# KiCad board 6502PC-6U.kicad_pcb (continued)
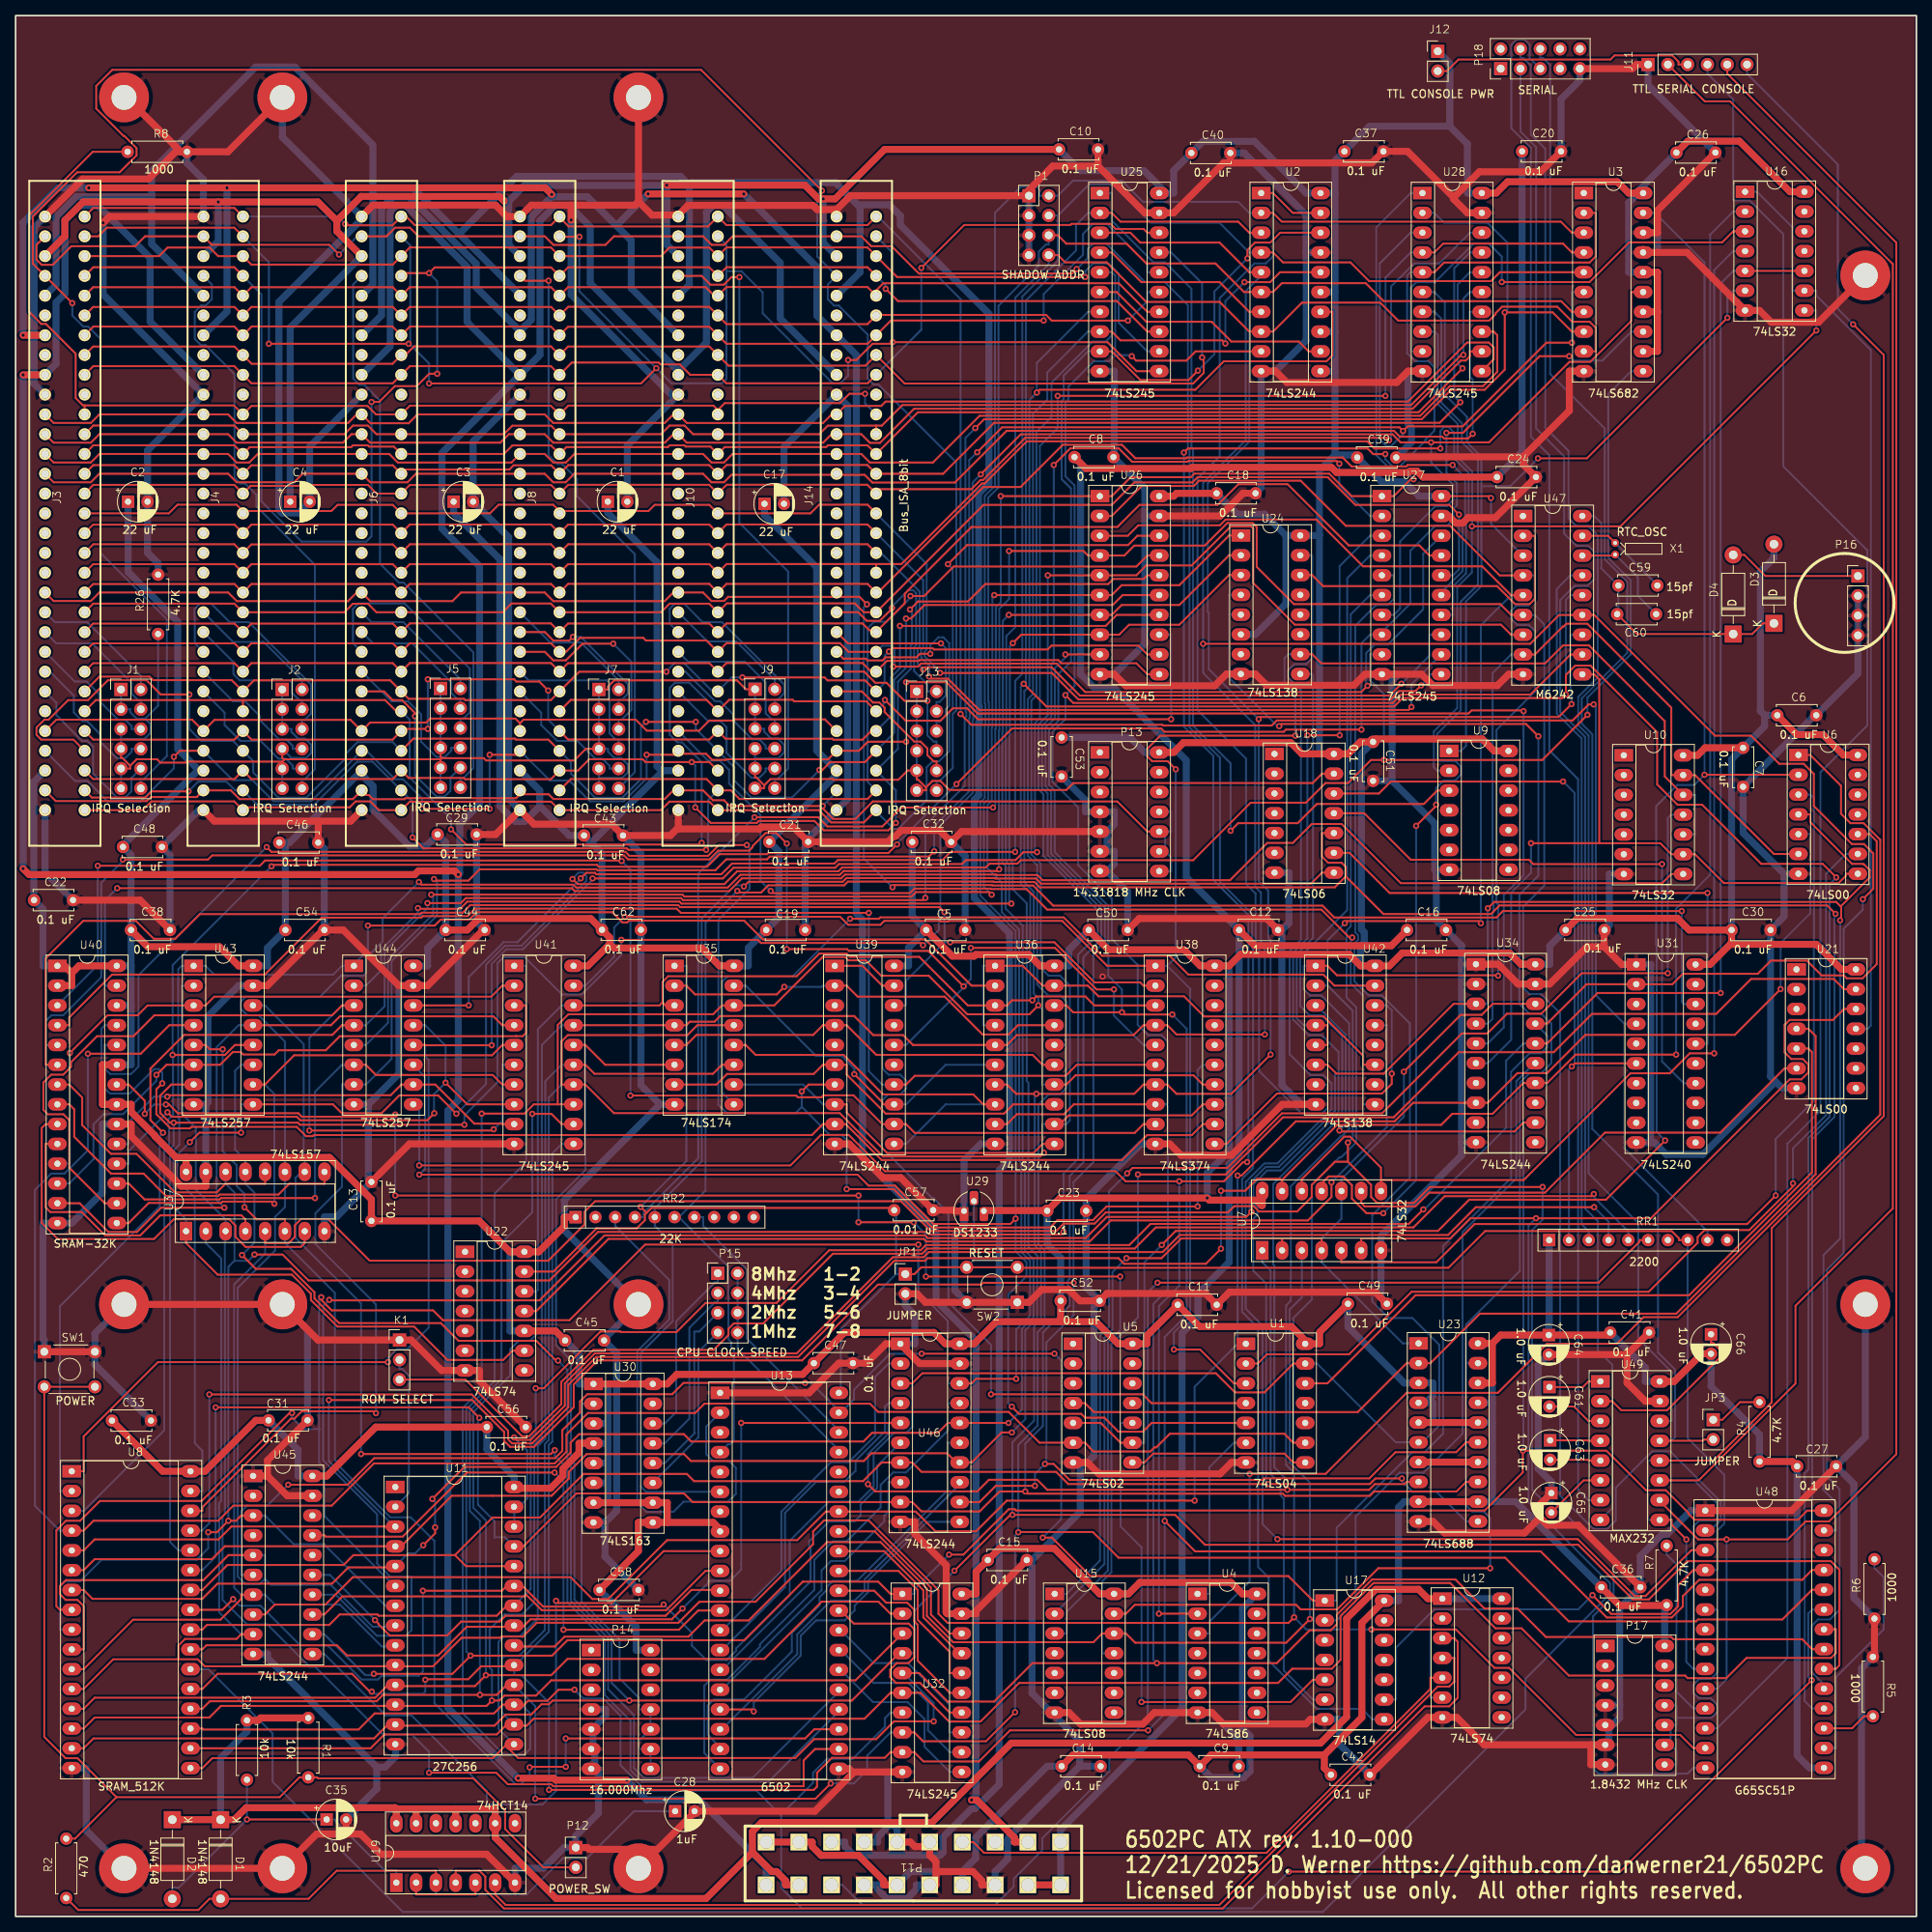
[diagram p0: board, top side]
## Nets (continued)
Net-(J7-Pin_10): J7.10 J8.25
Net-(J10-IRQ3): J9.10 J10.25
Net-(J10-IRQ4): J9.8 J10.24
Net-(J10-IRQ5): J9.6 J10.23
Net-(J10-IRQ6): J9.4 J10.22
Net-(J10-IRQ7): J9.2 J10.21
Net-(J11-Pin_3): J11.3 J12.2
Net-(J13-Pin_2): J13.2 J14.21
Net-(J13-Pin_4): J13.4 J14.22
Net-(J13-Pin_6): J13.6 J14.23
Net-(J13-Pin_8): J13.8 J14.24
Net-(J13-Pin_10): J13.10 J14.25
Net-(JP3-A): JP3.1 R4.2
Net-(K1-Pin_2): K1.2 U11.2
Net-(P12-Pin_2): P12.2 R1.2 R2.2 SW1.2
Net-(P15-Pin_1): P15.1 U30.14
Net-(P15-Pin_3): P15.3 U30.13
Net-(P15-Pin_5): P15.5 U30.12
Net-(P15-Pin_7): P15.7 U30.11
Net-(U1-Pad6): U1.6 U4.1
Net-(U1-Pad8): U1.8 U5.8
Net-(U1-Pad12): U1.12 U21.5
Net-(U4-Pad3): U4.3 U6.1
Net-(U6-Pad3): U6.3 U7.5
Net-(U12A-C): U12.3 U19.4
Net-(U12A-D): U12.2 U12.6
Net-(U12A-~{S}): U12.4 U19.6
Net-(U15-Pad11): U15.11 U21.13
Net-(U17-Pad6): U7.1 U17.6
Net-(U19-Pad2): U19.2 U19.5
Net-(U21-Pad6): U7.9 U21.6
Net-(U25-A->B): U9.3 U25.1
Net-(U30-CP): P14.8 P14.9 P14.10 P14.11 U30.2
Net-(U31-O1a): U18.9 U31.16
Net-(U31-O2a): U18.11 U31.14
Net-(U34-I2b): U17.2 U34.15
Net-(U35-Q0): U35.2 U36.17 U39.2
Net-(U35-Q1): U35.5 U36.15 U39.4
Net-(U35-Q2): U35.7 U36.13 U39.6
Net-(U35-Q3): U35.10 U36.11 U39.8
Net-(U35-Q4): U35.12 U36.8 U39.11
Net-(U35-Q5): U35.15 U36.6 U39.13
Net-(U37-Za): U37.4 U40.10
Net-(U37-Zb): U37.7 U40.9
Net-(U37-Zc): U37.9 U40.8
Net-(U37-Zd): U37.12 U40.7
Net-(U38-O0): U38.2 U39.18 U40.6
Net-(U38-O1): U38.5 U39.16 U40.5
Net-(U38-O2): U38.6 U39.14 U40.4
Net-(U38-O3): U38.9 U39.12 U40.3
Net-(U38-O4): U38.12 U39.9 U40.25
Net-(U38-O5): U38.15 U39.7 U40.24
Net-(U39-OEa): U1.4 U39.1 U39.19
Net-(U40-Q0): U40.11 U41.2 U43.3
Net-(U40-Q1): U40.12 U41.3 U43.6
Net-(U40-Q2): U40.13 U41.4 U43.13
Net-(U40-Q3): U40.15 U41.5 U43.10
Net-(U40-Q4): U40.16 U41.6 U44.3
Net-(U40-Q5): U40.17 U41.7 U44.6
Net-(U40-Q6): U40.18 U41.8 U44.13
Net-(U40-Q7): U40.19 U41.9 U44.10
Net-(U47-XT1): C59.2 U47.17 X1.2
Net-(U47-XT): C60.2 U47.16 X1.1
Net-(U49-C1+): C61.1 U49.1
Net-(U49-C1-): C61.2 U49.3
Net-(U49-C2+): C63.1 U49.4
Net-(U49-C2-): C63.2 U49.5
Net-(U49-VS+): C66.1 U49.2
Net-(U49-VS-): C65.2 U49.6

Pads without a net: J3 6 8 15 16 17 18 19 26 41; J4 6 8 15 16 17 18 19 26 41; J6 6 8 15 16 17 18 19 26 41; J8 6 8 15 16 17 18 19 26 41; J10 6 8 15 16 17 18 19 26 41; J14 6 8 15 16 17 18 19 26 41; P13 1 2 3 12 13; P14 1 2 3 12 13; P17 1 2 3 12 13; P18 1 2 7 8 10; RR1 7 10; RR2 2 8 9 10; U1 10 11; U3 1; U4 4 5 6 8 9 10 11 12 13; U5 1 2 3 11 12 13; U6 11 12 13; U9 4 5 6 8 9 10 11 12 13; U10 1 2 3 4 5 6; U11 1; U12 8 9 10 11 12 13; U13 3 5 7 35 36; U15 4 5 6 8 9 10; U16 11 12 13; U17 3 4 10 11 12 13; U18 1 2 3 4 5 6; U19 8 10 12; U21 1 2 3 8 9 10; U22 1 2 3 4 5 6 8; U30 15; U31 3 5 7 8 9 11 12 13 15 17 19; U34 7 9 11 13; U38 16 17 18 19; U39 3 5 15 17; U42 10 12; U45 2 4 16 18; U47 1; U48 5 7

## Via types
v1: diameter 0.8, hole 0.4, Top to Bottom, 393 vias

## Routing (per net, layer and track width the routed paths; a pad name or vN(x,y) marks a point on that pad's centre or on a via; arc(x,y) is an arc through that point)
5VSB: length 239.9
  Top w0.9: 48.87,13.81 51.41,13.81 ; 48.87,13.81 48.72,13.96 29.61,13.96 28.07,12.42 D1.1 D2.1 ; 48.87,13.81 U19.14 ; 51.41,13.81 U19.13 ; 51.41,13.81 56.49,13.81 ; 94.58,8.25 88.64,2.3 69.38,2.3 61.57,10.11 U19.9 61.57,13.81 56.49,13.81 ; 94.58,8.25 97.07,5.76 97.68,5.76 98.83,4.61 98.83,4.04 100.54,4.04 ; 94.58,8.25 94.58,10.89 95.75,12.06 117.62,12.06 127.81,22.25 167.5,22.25 170.86,25.6 170.86,38.24 174.61,41.99 180.09,41.99 181.29,40.79 U12.1 ; 56.49,13.81 U19.11 ; R1.1 31.46,25.48 31.15,25.17 R3.2
  Bottom w0.9: D1.1 26.31,20.34 29.7,23.72 R3.2 ; U12.14 U12.1
+3V3: length 329.2
  Top w0.9: C8.1 137.39,185.86 150.88,185.86 151.02,186 168.91,186 169.57,185.35 178.83,185.35 179.01,185.53 179.88,185.53 180.66,184.76 C24.1 ; 129.94,4.04 134.14,4.04 ; C12.1 159.07,124.61 176.6,124.61 C16.1
  Bottom w0.9: C24.1 193.38,187.99 C20.1 ; C8.1 136.71,186.55 136.71,159.47 138.41,157.77 140.91,157.77 150.27,148.4 150.27,133.41 C12.1 157.06,97.84 155.78,96.56 155.78,83.98 151.78,79.98 151.78,76.94 149.73,74.89 149.73,26.71 134.28,11.26 134.14,11.26 P11.2 134.14,4.04
+5V: length 2210.4
  Top w0.25: v1(189.39,182.07) 189.15,182.31 U27.20
  Top w0.9: U43.16 28.62,122.02 26.16,124.48 16.96,124.48 C38.1 ; C58.1 79.95,46.9 79.95,50.57 83.65,50.57 ; J3.3 6.33,215.67 6.33,217.72 8.69,220.08 v1(26.01,220.08) 38.82,220.08 41.23,217.66 ; P11.20 P11.18 102.25,9.55 102.25,8.98 103.41,7.83 108.2,7.83 111.43,4.61 111.43,4.04 113.14,4.04 ; 208.92,211.05 210.77,211.05 210.77,205.97 ; C44.1 57.98,126.62 59.45,128.09 73.82,128.09 C62.1 76.26,125.65 76.26,124.81 ; 210.77,205.97 208.92,205.97 ; 210.77,205.97 210.77,200.89 208.92,200.89 ; 74.18,68.35 83.65,68.35 84.87,69.58 101.03,69.58 C47.1 106.41,74.96 117.89,74.96 119.34,73.51 U46.20 123.04,73.51 125.88,76.34 134.15,76.34 ; 83.65,50.57 89.54,50.57 90.69,49.43 ; 83.65,50.57 83.65,53.11 U30.10 U30.7 ; U45.20 39.96,56.54 46.23,62.81 C56.1 ; U26.20 148.65,182.31 149.02,182.68 C18.1 ; 21.88,97.43 20.61,97.43 17.87,100.16 17.87,100.25 14.84,103.28 14.84,104.24 U40.21 11.14,104.24 11.14,109.32 U40.23 ; 21.88,97.43 U37.16 ; 21.88,97.43 40.3,97.43 45.68,92.05 C13.1 59.5,89.28 63.46,85.32 U22.14 67.16,85.32 70.44,88.6 70.44,89.76 RR2.1 ; C27.1 228.08,58.39 R4.1 ; C6.1 228.63,151.7 232.01,151.7 234.63,149.08 U6.14 ; C25.1 200.47,128.13 213.32,128.13 214.83,126.62 C30.1 220.27,124.79 ; 165.97,73.51 163.76,75.72 151.98,75.72 C11.1 145.22,74.54 145.22,73.51 U5.14 141.52,73.51 138.68,76.34 134.15,76.34 ; 165.97,73.51 167.39,73.51 167.39,75 C49.1 ; 165.97,73.51 U1.14 ; U23.16 U23.5 ; U7.14 160.03,91.27 159.93,91.27 159.25,91.95 153.23,91.95 v1(152.96,92.22) 134.06,92.22 C23.1 132.38,90.62 124.36,90.62 U29.3 ; U4.14 157.49,41.4 156.02,42.88 144.33,42.88 142.85,41.4 U15.14 139.15,41.4 133.32,47.23 126.29,47.23 C15.1 123.3,44.24 123.3,41.4 U32.20 ; U31.20 217.5,122.2 220.09,124.79 220.27,124.79 ; 168,20.73 168,19.03 C42.1 ; 168,20.73 172.82,25.55 172.82,37.68 U17.14 ; 168,20.73 153.45,20.73 C9.1 150.55,20.73 135.72,20.73 C14.1 ; C45.1 69.32,75.16 U22.10 ; R7.1 211.89,39.91 205.91,39.91 C36.1 ; C31.1 30.84,63.68 24.3,57.14 U8.32 18.88,57.14 C33.1 ; 220.27,124.79 231.16,124.79 234.38,121.56 U21.14 ; C50.1 140.29,124.09 150.01,124.09 152.08,122.02 U38.20 155.78,122.02 157.26,123.5 171.17,123.5 172.65,122.02 U42.16 176.35,122.02 178,123.67 191.78,123.67 193.23,122.22 U34.20 ; U23.20 189.56,73.56 ; 189.56,73.56 189.56,68.48 U23.18 ; 189.56,73.56 190.63,74.63 C64.1 204.35,74.63 C41.1 ; U23.14 U23.7 ; U28.20 190.06,221.21 191.53,222.68 205.61,222.68 207.07,221.21 208.92,221.21 ; C66.2 216.45,72.23 212.9,68.68 U49.16 ; U40.2 7.22,119.48 7.22,121.1 ; 7.22,121.1 8.14,122.02 U40.28 ; 7.22,121.1 6.29,122.02 U40.1 ; U30.4 72.33,60.73 72.33,59.53 70.25,57.45 70.25,56.54 68.67,54.97 64.02,54.97 ; 41.23,217.66 41.23,216.32 J6.3 ; 41.23,217.66 44.36,220.79 62.12,220.79 v1(62.71,220.2) ; U41.20 73.47,122.02 76.26,124.81 ; U9.14 189.79,149.61 188.25,151.15 174.62,151.15 C51.1 172.62,150.77 171.07,149.23 U18.14 165.13,149.23 163.68,150.68 149.91,150.68 148.65,149.42 P13.14 ; 134.15,76.34 C52.1 ; U36.20 131.5,122.02 130.05,123.47 123.26,123.47 123.06,123.27 120.24,123.27 C5.1 ; C26.1 214.66,227.88 221.28,227.88 227.77,221.39 U16.14 ; 76.26,124.81 76.77,124.3 88.07,124.3 90.35,122.02 U35.16 ; U10.14 215.91,149.05 216.87,150.01 C7.1 ; v1(83.59,222.23) 101.32,222.23 103.07,220.47 v1(103.67,220.47) 105.2,220.47 111.55,226.82 C10.1 ; U23.9 U23.12
  Bottom w0.25: U47.3 189.39,178.79 v1(189.39,182.07) 189.39,182.13
  Bottom w0.9: C36.1 192.58,53.24 189.56,53.24 ; U36.20 135.2,122.02 135.2,124.06 C50.1 ; J8.29 67.29,144.55 67.29,142.52 ; U30.7 76.03,53.11 76.03,55.65 ; 163.06,177.26 160.32,179.99 156.85,179.99 C18.1 ; 163.06,177.26 U24.16 167.37,177.26 ; 163.06,177.26 163.06,168.48 159.14,164.56 U24.6 ; 76.03,55.65 U30.6 ; 76.03,55.65 76.03,58.19 ; C32.1 115.09,128.42 C5.1 114.62,124.35 114.62,122.02 U39.20 ; 67.29,142.52 65.33,140.56 64.15,140.56 62.15,142.56 62.15,174.23 56.23,180.15 C3.1 ; 67.29,142.52 71.05,138.76 C43.1 73.89,137.83 ; U34.20 196.93,122.22 196.93,124.58 C25.1 ; 14.82,122.02 U40.28 ; 14.82,122.02 C38.1 14.82,136.25 C48.1 13.79,137.5 23.38,147.09 ; 14.82,122.02 14.84,122 14.84,116.94 ; 76.03,63.27 76.03,68.35 72.33,68.35 72.33,72.15 C45.1 ; 76.03,63.27 76.03,60.73 ; 76.03,63.27 U30.3 ; 113.14,4.04 114.85,5.76 121.54,5.76 ; U30.5 76.03,58.19 ; 76.03,58.19 76.03,60.73 ; 44.15,146.81 J6.29 ; 44.15,146.81 45.89,145.08 45.89,142.05 50.55,137.39 52.69,137.39 C29.1 55.21,137.86 C44.1 52.9,124.31 52.9,122.02 U44.16 ; 44.15,146.81 35.18,137.84 34.63,137.84 ; 169.36,203.43 169.36,208.51 ; 169.36,203.43 U2.13 ; 169.36,203.43 169.36,198.35 ; 169.36,208.51 169.36,221.21 ; 169.36,208.51 U2.15 ; U17.14 177.52,40.54 177.52,52.52 178.24,53.24 U23.9 ; 208.92,211.05 207.07,211.05 207.07,219.98 208.3,221.21 ; C30.1 220.27,148.53 C7.1 224.51,152.77 224.51,154.19 ; C9.1 153.46,17.82 157.65,17.82 158.46,18.63 158.46,23.16 157.48,24.14 157.48,39.55 U4.14 ; P13.14 144.95,149.42 143.04,151.33 C53.1 ; J3.29 2.34,145.64 2.34,130.49 C22.1 3.52,129.31 3.52,122.02 U40.1 ; U49.16 209.2,68.68 209.2,70.44 C41.1 ; C27.1 228.69,20.66 230.28,19.07 U48.15 ; 169.36,187.59 171.91,187.59 C39.1 175.34,184.16 178.28,184.16 180.13,182.31 U27.20 ; 169.36,187.59 169.36,198.35 ; 169.36,187.59 167.37,185.6 167.37,177.26 ; 73.89,137.83 82.89,146.83 82.89,147.09 ; 73.89,137.83 75.27,136.45 C62.1 ; 224.51,154.19 223.96,154.74 223.96,172.64 225.71,174.4 D3.2 ; 224.51,154.19 C6.1 ; 189.56,63.4 189.56,58.32 ; 189.56,63.4 189.56,65.94 ; 189.56,63.4 U23.16 ; 189.56,58.32 189.56,53.24 ; 189.56,58.32 U23.14 ; J14.3 103.67,214.84 v1(103.67,220.47) ; R4.1 223.86,61.83 217.63,68.05 C66.2 ; 167.37,177.26 167.37,149.23 U18.14 ; U43.16 32.32,122.02 32.32,124.31 C54.1 34.63,137.84 ; C17.1 96.14,179.88 102.82,173.19 102.82,149.65 J14.29 105.39,146.58 C21.1 97.98,136.71 97.98,128.24 C19.1 94.05,124.32 94.05,122.02 U35.16 ; U30.4 76.03,60.73 ; 189.56,65.94 189.56,68.48 U23.18 ; 189.56,65.94 U23.17 ; J8.3 63.32,214.55 63.32,220.2 ; 208.3,221.21 208.3,221.52 C26.1 ; 208.3,221.21 208.92,221.21 ; 34.63,137.84 C46.1 ; U2.11 169.36,198.35 ; 169.36,221.21 U2.20 165.66,221.21 159.01,227.86 152.43,227.86 C40.1 148.65,224.09 148.65,221.21 147.73,221.21 ; 169.36,221.21 169.36,225.35 C37.1 173.79,229.79 184.1,229.79 ; J4.29 23.38,147.09 ; 23.38,147.09 23.38,147.28 20.82,149.83 20.82,166.2 14.44,172.58 C2.1 ; 121.54,5.76 121.54,4.04 ; 121.54,5.76 123.25,7.47 123.25,10.11 132.42,19.28 C14.1 ; U40.23 14.84,109.32 14.84,116.94 ; 184.1,229.79 186.36,227.53 186.36,221.21 U28.20 ; 184.1,229.79 184.1,237.87 J12.1 ; 83.59,222.2 65.33,222.2 63.32,220.2 ; 83.59,222.2 v1(83.59,222.23) ; 83.59,222.2 83.59,214.6 J10.3 ; 147.73,221.21 144.85,224.09 136.68,224.09 C10.1 ; 147.73,221.21 U25.20 ; C49.1 171.03,75.69 178.24,68.48 U23.3 181.94,68.48 181.94,66.86 181.02,65.94 ; 63.32,220.2 v1(62.71,220.2) ; 189.56,53.24 U23.12 ; 14.84,116.94 U40.26 ; U45.20 36.26,56.54 36.26,59.89 C31.1 ; C58.1 79.66,37.2 79.66,34.18 P14.14 ; C52.1 134.15,84.56 132.42,86.29 C23.1 ; J6.3 35.25,203.95 C4.1 ; U38.20 155.78,122.02 155.78,98.26 152.96,95.45 v1(152.96,92.22) ; 82.89,147.09 J10.29 ; 82.89,147.09 82.33,147.65 82.33,173.85 76.02,180.15 C1.1 ; J4.3 26.01,215.03 v1(26.01,220.08) ; R7.1 211.68,39.7 P17.14 ; RR1.1 196.86,76.13 196.81,76.08 C64.1 ; 64.02,54.97 64.02,56.42 60.49,59.94 C56.1 ; U22.14 63.46,85.32 63.46,75.16 U22.10 ; U23.5 181.94,63.4 181.94,65.94 181.02,65.94 ; 181.02,65.94 U23.4 ; C51.1 172.75,149.27 172.75,126.7 173.12,126.33 173.12,125.03 172.65,124.56 172.65,122.02 U42.16
+12V: length 564.3
  Top w0.9: v1(56.83,133.74) 56.35,134.21 51.71,134.21 51.23,133.74 1.73,133.74 v1(0.97,134.5) ; J3.9 v1(0.97,197.89) ; v1(78.47,17.49) 69.34,17.49 69.09,17.74 v1(64.52,17.74)
  Bottom w0.9: 85.03,198.39 85.03,197.92 J10.9 ; 85.03,198.39 73.76,209.66 73.76,216.89 71.03,219.62 69.24,219.62 67.31,217.69 67.31,200.45 J8.9 ; 85.03,198.39 88.68,202.03 88.68,218.74 89.56,219.62 90.8,219.62 98.16,212.26 98.16,205.12 J14.9 ; v1(64.52,17.74) 55.49,26.78 55.49,103.43 56.83,104.77 v1(56.83,133.74) 57.01,133.92 57.01,140.22 59.56,142.76 59.56,173.32 54.73,178.14 54.73,187.87 J8.9 ; J3.9 5.2,199.3 5.2,207.18 6.34,208.32 6.34,217.71 8.26,219.62 10.56,219.62 17.27,212.91 17.27,204.72 J4.9 ; J8.9 57.96,204.67 57.96,211.75 50.09,219.62 48.89,219.62 48.07,218.81 48.07,201.53 J6.9 ; 96.34,4.04 96.34,6.38 87.75,14.97 80.99,14.97 v1(78.47,17.49) ; v1(0.97,197.89) v1(0.97,134.5)
-5V: length 452.2
  Bottom w0.9: 108.07,219.72 108.41,219.39 108.41,211.07 J14.5 ; 108.07,219.72 112.16,219.72 113.58,218.31 113.58,217.1 124.95,205.73 124.95,183.96 123.63,182.65 123.63,155.42 123.71,155.34 123.71,153.35 123.63,153.28 123.63,143.9 123.07,143.34 123.07,130.71 127.59,126.19 127.59,97.09 126.26,95.76 126.26,16.94 123.17,13.85 122.72,13.85 119.05,10.18 119.05,8.21 118.67,7.83 107.6,7.83 106.45,8.98 106.45,9.55 P11.16 ; 108.07,219.72 105.22,222.57 86.81,222.57 86.48,222.25 ; 17.47,220.75 7.8,220.75 5.2,218.15 5.2,209.46 J3.5 ; 17.47,220.75 17.47,214.68 J4.5 ; 17.47,220.75 17.47,224.06 30.81,237.4 35.85,237.4 45.86,227.39 45.86,221.85 ; 45.86,221.85 45.86,209.48 J6.5 ; 45.86,221.85 51.05,221.85 56.93,215.97 ; 86.48,222.25 86.48,209.46 J10.5 ; 86.48,222.25 85.36,223.37 64.33,223.37 56.93,215.97 ; 56.93,215.97 64.75,208.16 J8.5
-12V: length 445.7
  Top w0.9: v1(68.83,221.04) 67.98,221.89 v1(27.14,221.89) v1(9.4,221.89) ; J3.7 v1(0.97,202.97) ; v1(81.19,221.1) v1(93.48,221.1) ; P11.4 128.23,9.55 128.23,10.11 123.39,14.95 v1(122.71,14.95)
  Bottom w0.9: J8.7 64.75,203.18 64.73,203.19 64.73,203.49 ; 77.12,217.03 73.41,220.74 68.83,220.74 ; 77.12,217.03 v1(81.19,221.1) ; 77.12,217.03 79.02,215.12 79.02,209.01 J10.7 ; v1(0.97,202.97) 0.97,217.43 5.42,221.89 v1(9.4,221.89) ; v1(122.71,14.95) 123.3,15.53 123.3,73.91 118.15,79.06 118.15,87.98 108.71,97.41 108.71,127.96 107.93,128.75 107.93,200.43 J14.7 102.88,205.47 102.88,211.7 v1(93.48,221.1) ; v1(27.14,221.89) 27.14,206 J4.7 ; 64.73,203.49 59.12,209.1 59.12,212.14 50.54,220.72 48.43,220.72 46.97,219.27 46.97,205.51 J6.7 ; 64.73,203.49 66.2,204.96 66.2,218.14 68.79,220.74 68.83,220.74 ; 68.83,220.74 v1(68.83,221.04)
GND: length 2829.9
  Top w0.9: J11.1 208.06,237.72 207.52,237.19 P18.9 ; U19.7 60.46,7.98 46.89,7.98 44.3,10.58 42.43,10.58 ; 206.85,72.13 206.85,68.48 209.2,66.14 U49.15 ; 206.85,72.13 C64.2 ; 206.85,72.13 C41.2 ; 138.95,224.68 133.13,224.68 129.33,220.88 ; 138.95,224.68 C10.2 ; 138.95,224.68 144.95,218.67 U25.19 148.65,218.67 155.07,225.09 155.93,225.09 ; C31.2 32.34,58.54 32.34,56.54 ; 32.34,56.54 34.88,54 U45.19 ; 32.34,56.54 U45.1 ; U38.10 148.16,99.16 149.62,97.7 156.07,97.7 162.61,104.24 U42.8 ; J4.1 12.05,218.21 v1(11.24,217.39) ; 117.34,4.04 118.15,4.04 118.15,5.76 ; P21.1 231.44,204.64 225.36,204.64 223.85,206.15 U16.7 214.56,213.59 208.92,213.59 ; 107.41,18.54 107.41,18.31 102.61,13.51 C28.2 87.16,13.37 82.4,8.61 79.96,8.61 ; 107.41,18.54 107,18.95 105.93,18.95 ; 107.41,18.54 U32.10 ; 79.96,8.61 73.64,8.61 73.41,8.84 P12.1 ; 79.96,8.61 P4.1 ; C29.2 61.62,138.88 J8.31 66.55,140.21 76.52,140.21 C43.2 84.05,138.76 85.07,139.77 ; 202.21,22.03 P17.6 ; 202.21,22.03 202.21,19.49 P17.7 ; 202.21,22.03 188.52,22.03 184.99,25.55 U12.7 181.29,25.55 173.93,18.19 C42.2 ; U15.7 135.23,26.16 136.71,24.69 144.69,24.69 146.16,26.16 U4.7 153.57,26.16 155.03,24.71 165.61,24.71 166.2,25.3 U17.7 ; C65.1 195.68,52.89 195.68,51.21 ; U28.19 186.36,218.67 184.6,220.44 184.6,220.65 ; 118.15,5.76 122.88,5.76 124.03,4.61 124.03,4.04 125.74,4.04 ; 118.15,5.76 118.15,7.03 117.34,7.83 117.34,8.96 ; U46.10 115.42,50.65 115.42,49.12 119.47,45.07 119.47,38.99 119.59,38.86 U32.19 123.3,38.86 123.3,39.24 C15.2 ; U28.10 178.74,198.35 177.29,196.9 163.19,196.9 161.74,198.35 U2.10 ; 38.85,140.59 25.52,140.59 J4.31 ; 38.85,140.59 43.01,140.59 J6.31 ; 38.85,140.59 C46.2 ; 203.92,124.47 206.18,122.2 U31.1 ; 203.92,124.47 203.92,126.57 C25.2 ; 203.92,124.47 201.71,124.47 196.93,119.68 U34.19 192.86,119.68 190.32,122.22 U34.1 ; J3.1 8.6,223.02 17.06,223.02 20.55,226.52 21.23,226.52 ; 21.23,226.52 R8.2 27.26,226.52 P2.1 ; 21.23,226.52 14.24,233.5 P7.1 ; U1.7 156.07,58.27 154.61,56.81 139.05,56.81 137.6,58.27 U5.7 ; U26.10 141.03,159.45 142.52,157.96 153.92,157.96 155.44,159.48 U24.8 159.14,159.48 160.59,158.03 171.79,158.03 173.21,159.45 U27.10 180.48,159.45 181.94,158 190.2,158 191.64,159.44 U47.9 ; R5.1 238.62,33.52 R6.1 ; 184.6,220.65 187.9,223.95 195.76,223.95 C20.2 ; 184.6,220.65 178.68,226.57 C37.2 174.1,225.09 155.93,225.09 ; J10.1 85.07,218.39 ; 85.07,218.39 86.31,219.64 102.35,219.64 102.89,219.1 105.39,219.1 ; 85.07,218.39 81.7,218.39 79.96,220.13 ; 155.93,225.09 C40.2 ; 85.07,139.77 85.24,139.59 95.47,139.59 95.72,139.84 99.84,139.84 C21.2 111.99,137.94 112.71,138.66 112.95,138.66 113.7,139.41 118.61,139.41 C32.2 121.43,139.26 P13.5 ; 85.07,139.77 J10.31 ; 105.39,219.1 J14.1 ; 105.39,219.1 107.17,220.88 129.33,220.88 ; JP1.2 115.71,79.92 116.79,78.83 SW2.1 SW2.1 130.09,78.83 131.73,80.47 135.18,80.47 136.63,79.02 C52.2 140.09,79.96 152.73,79.96 C11.2 155.8,80.13 174.54,80.13 C49.2 ; U46.1 113.52,73.51 ; 113.52,73.51 116.06,70.97 U46.19 ; 113.52,73.51 111.72,73.51 109.23,71.02 C47.2 105.67,71.02 101.86,67.21 90.69,67.21 ; C22.2 15.99,130.45 C38.2 ; 117.34,8.96 115.43,8.96 114.85,9.55 P11.12 ; 117.34,8.96 P11.10 ; 193.52,187.36 193.52,186.39 C24.2 189.96,179.56 186.46,179.56 185.76,178.85 184.89,178.85 183.97,179.77 U27.19 ; 193.52,187.36 177.31,187.36 C39.2 ; 193.52,187.36 199.45,193.29 199.45,198.35 U3.10 ; C13.2 50.56,99.16 U41.10 ; 42.43,10.58 38.65,10.58 P3.1 P5.1 ; 42.43,10.58 C35.2 ; C44.2 60.04,126.62 52.9,119.48 U44.15 49.2,119.48 42.06,126.62 C54.2 39.46,126.62 32.32,119.48 U43.15 ; C56.2 59.54,68.76 59.54,70.08 U22.7 54.7,70.08 50.78,73.99 K1.1 38.81,73.99 P23.1 P22.1 ; 79.96,220.13 P6.1 ; 79.96,220.13 79.49,219.66 71.32,219.66 ; J6.1 45.89,219.67 61.61,219.67 63.07,218.21 J8.1 66.2,219.66 71.32,219.66 ; 129.33,220.88 P1.1 ; U26.19 154.64,179.77 157.55,182.68 C18.2 ; 195.68,51.21 193.7,49.23 183.41,49.23 181.94,50.7 U23.10 ; 195.68,51.21 196.67,50.22 200.6,50.22 C36.2 ; U48.1 227.99,52.09 C27.2 ; U40.20 14.84,101.7 14.84,100.16 21.27,93.73 24.42,93.73 U37.15 ; 208.92,216.13 210.77,216.13 210.77,218.99 C26.2 ; C12.2 160.58,128.1 144.23,128.1 C50.2 ; 71.32,219.66 v1(71.32,217.76) ; U29.1 120.55,90.55 120.45,90.65 C57.2 113.6,94.84 111.33,94.84 107,99.16 U39.10 ; SW1.1 SW1.1
  Bottom w0.9: 74.18,50.57 75.66,50.57 ; U37.15 24.42,97.43 24.43,97.44 24.43,104.24 ; 140.11,136.72 141.03,136.72 141.03,135.1 140.11,134.18 ; 140.11,136.72 140.11,139.26 ; 140.11,136.72 P13.6 ; C58.2 75.66,46.2 75.66,50.57 ; U19.7 64.11,6.19 67.76,6.19 70.41,8.84 P12.1 71.91,10.34 74.81,13.25 74.81,18.94 74.35,18.94 ; 225.92,107.16 216.58,97.81 211.89,97.81 210.36,99.34 209.88,99.34 ; 225.92,107.16 226.76,106.32 U21.7 ; 225.92,107.16 225.27,107.81 C30.2 227.01,128.35 227.01,133.84 ; U40.20 11.14,101.7 11.14,92.92 7.22,89 U40.14 3.52,89 3.52,74.15 3.68,73.99 SW1.1 ; 182.36,134.37 182.36,127.87 C16.2 185.61,124.63 185.61,122.22 ; 182.36,134.37 U9.7 ; 182.36,134.37 182.17,134.37 182.17,140.3 176.7,145.77 ; J11.1 209.56,235.05 C26.2 ; U34.1 185.61,122.22 ; 185.61,122.22 185.61,99.36 ; v1(71.32,217.76) 71.32,208.17 84.61,194.89 ; C5.2 121.89,136.12 C32.2 ; 204.52,24.57 204.52,22.03 P17.6 ; 204.52,24.57 204.98,24.57 205.91,25.49 205.91,27.11 ; 204.52,24.57 P17.5 ; 162.55,126.61 162.07,126.61 C12.2 ; 162.55,126.61 162.55,106.73 165.03,104.24 U42.8 ; 162.55,126.61 163.45,127.51 163.45,133.99 U18.7 ; J8.10 58.73,189.33 C3.2 63.29,177.04 63.29,143.46 J8.31 ; U27.10 177.24,159.45 177.24,159.21 176.69,158.66 176.69,150.53 176.7,150.53 176.7,145.77 ; 24.43,104.24 U43.8 ; 24.43,104.24 24.7,104.52 24.7,115.56 28.62,119.48 U43.15 ; 75.66,50.57 77.15,52.07 77.15,72.32 C45.2 75.54,74.14 P8.1 70.44,88.08 70.44,91.95 82.73,104.24 ; 45.28,104.24 45.28,94.68 C13.2 41.21,89.81 39.66,89.81 U37.8 ; 45.28,104.24 49.2,108.16 49.2,119.48 U44.15 ; 45.28,104.24 U44.8 ; 136.67,58.27 137.6,58.27 138.43,59.1 138.43,78.3 C52.2 137.42,80.75 C23.2 137.42,92.13 144.46,99.16 U38.10 ; 136.67,58.27 136.67,51.94 130.47,45.75 ; 136.67,58.27 U5.7 ; 208.03,99.34 209.88,99.34 ; 209.88,99.34 209.88,122.2 U31.1 ; 185.61,99.36 U34.10 ; 185.61,99.36 185.61,97.69 175.27,87.35 U7.7 175.27,79.4 C49.2 ; C31.2 37.47,75.33 P23.1 ; C29.2 59.18,127.65 C44.2 ; U45.10 32.34,33.68 32.34,33.18 46.36,19.16 ; 165.66,213.59 U2.17 ; 165.66,213.59 165.66,218.43 157.72,226.36 C40.2 ; 165.66,213.59 165.66,202.27 161.74,198.35 U2.10 159.89,183.4 C18.2 ; 74.12,21.48 74.12,24.02 74.01,24.02 ; 74.12,21.48 P14.6 ; 74.12,21.48 74.35,21.48 74.35,18.94 ; U26.19 144.95,179.77 ; 144.95,179.77 144.95,183.3 C8.2 141.03,187.43 141.03,198.35 U25.10 ; 144.95,179.77 144.95,163.37 141.03,159.45 U26.10 ; 74.35,18.94 P14.7 ; U32.10 111.97,18.54 111.97,12.18 112.31,11.84 ; SW2.1 120.57,80.35 120.57,87.42 121.75,88.6 U29.1 121.75,97.03 123.88,99.16 U36.10 ; 46.36,19.16 46.36,16.38 C35.2 ; 46.36,19.16 47.44,19.16 48.78,20.5 48.78,21.95 ; 136.6,19.28 C14.2 ; 136.6,19.28 127.45,10.13 127.45,9.55 127.35,9.55 ; 136.6,19.28 136.6,22.52 132.97,26.16 ; C43.2 80.27,136.45 C62.2 80.27,106.7 82.73,104.24 ; P10.1 236.95,6.66 236.95,31.86 R5.1 ; P1.7 P1.5 P1.3 P1.1 ; U15.7 132.97,26.16 ; 132.97,26.16 130.47,28.66 130.47,45.75 ; 112.31,11.84 112.56,11.84 113.14,11.26 P11.12 ; 112.31,11.84 110.65,10.19 110.65,9.55 P11.14 ; J6.10 37.75,188.67 C4.2 37.75,181.58 36.32,180.15 34.17,180.15 33.8,180.52 33.8,207.24 44.43,217.87 J6.1 34.24,228.39 P2.1 ; 108.94,4.04 110.65,4.04 110.65,3.48 111.81,2.33 114.48,2.33 115.63,3.48 115.63,4.04 117.34,4.04 ; 227.01,133.84 221.75,139.1 C7.2 230.93,154.19 C6.2 236.5,159.54 P16.4 P16.3 P16.2 ; 227.01,133.84 U6.7 ; C53.2 137.33,143.27 137.33,141.8 P13.4 141.03,141.8 141.03,140.18 140.11,139.26 ; 140.11,134.18 142.76,131.53 C50.2 ; 140.11,134.18 P13.7 ; 82.73,104.24 U35.8 ; C46.2 39.63,137.06 C54.2 ; P9.1 237.44,61.54 C27.2 235.98,55.5 235.98,40.87 R6.1 ; C15.2 130.47,45.75 ; 140.11,139.26 P13.5 ; U17.7 169.9,25.3 169.9,22.13 C42.2 ; C17.2 98.64,188.6 J14.10 106.81,193.92 106.81,143.43 J14.31 101.74,138.37 C21.2 101.35,137.55 C19.2 ; 74.01,24.02 75.74,25.76 75.74,26.56 P14.4 ; 74.01,24.02 P14.5 ; C1.2 78.52,188.8 84.61,194.89 ; 208.92,213.59 210.77,213.59 210.77,216.13 208.92,216.13 ; R26.2 18.3,173.69 16.94,175.04 C2.2 16.94,188.18 J4.10 11.24,208.22 v1(11.24,217.39) ; P22.1 10.18,74.82 SW1.1 10.18,70.84 C33.2 ; C39.2 179.18,189.23 179.18,191.14 178.74,191.58 178.74,198.35 U28.10 ; C64.2 195.44,70.76 195.44,57.49 197.14,55.79 C65.1 ; P17.4 205.91,27.11 ; 205.91,27.11 205.91,39.61 C36.2 208.56,46.25 211.34,49.03 211.98,49.03 215.04,52.09 U48.1 ; J3.10 2.37,196.76 2.37,216.79 J3.1 ; C22.2 3.79,134.04 J3.31 ; R8.2 22,225.07 24.11,222.97 J4.1 ; 176.7,145.77 C51.2 ; 84.61,194.89 J10.10 ; P11.6 127.35,9.55 ; 127.35,9.55 127.35,7.36 125.74,5.76 125.74,4.04 ; JP1.2 114.21,78.41 115.42,77.2 115.42,73.51 U46.1 ; U8.16 9.06,19.04 9.06,11.03 P5.1 ; C9.2 157,22.73 153.57,26.16 U4.7 ; C20.2 198.38,233.27 200.79,235.69 P18.9 ; C25.2 204.59,127.24 204.59,133.81 U10.7 ; C38.2 19.82,136.25 C48.2 23.51,142.01 J4.31
  vias: v1(139.53,120.65)
